# KiCad board Azimuth_PCB.kicad_pcb (continued)
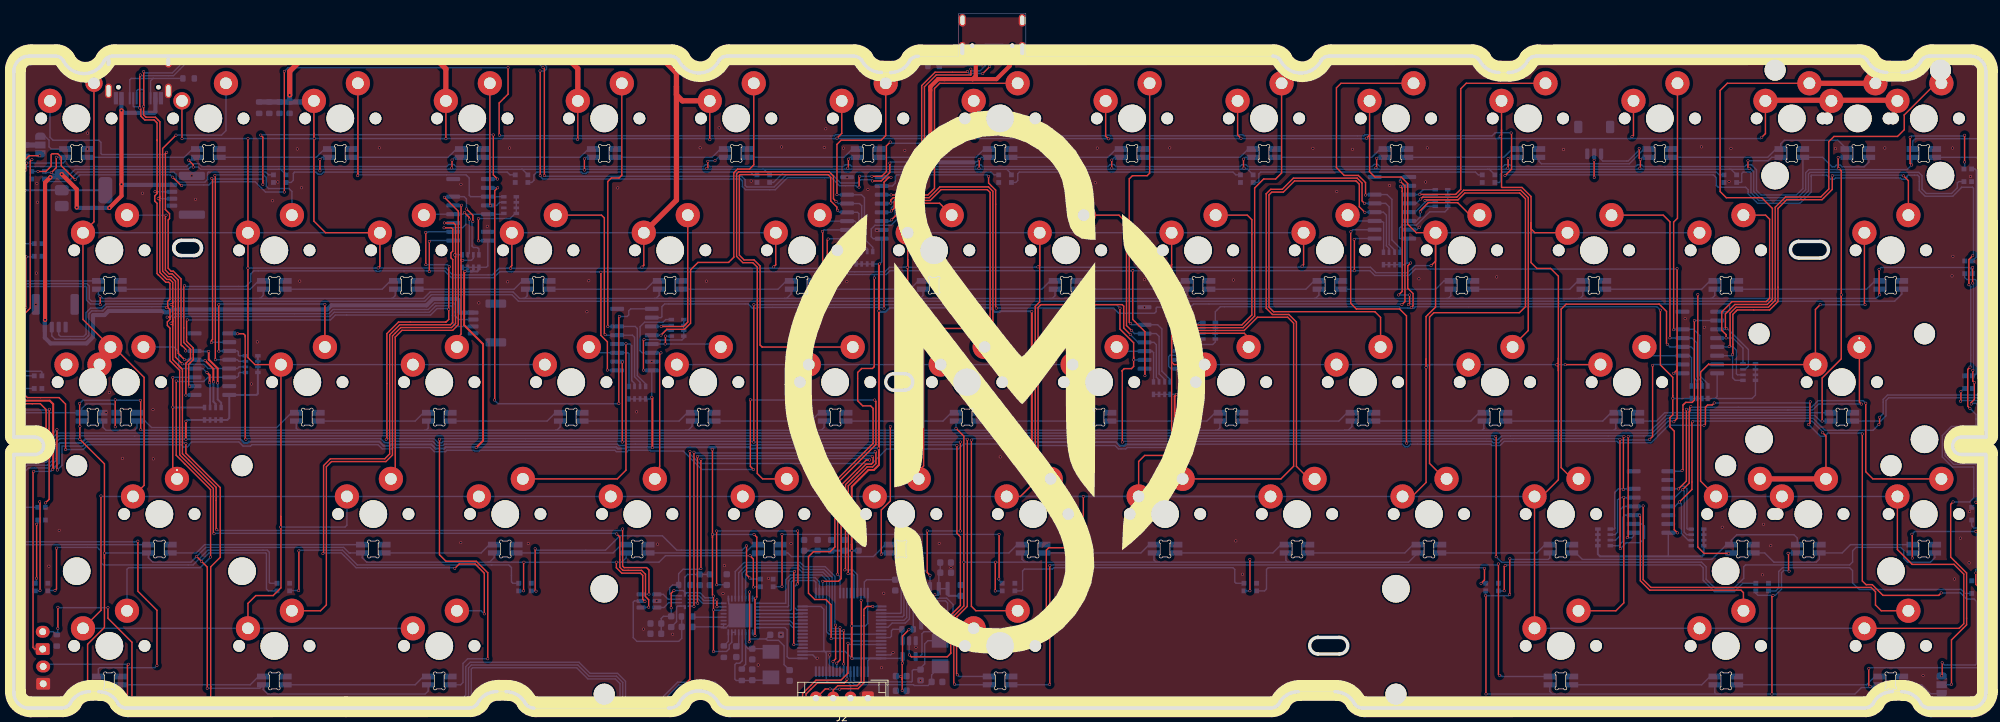
[diagram p0: board, top side]
## Routing (per net, layer and track width the routed paths; a pad name or vN(x,y) marks a point on that pad's centre or on a via; arc(x,y) is an arc through that point) (continued)
GND: length 25.3
  Bottom w0.2: U5.5 96.72,14.74 U5.6 95.83,14.74 95.67,14.59 95.67,12.49 C18.1 ; U11.15 124.67,69.09 v1(124.61,69.02) ; U1.63 126.59,7.69 v1(126.93,8.03) ; U7.2 U7.1 ; U7.1 102.36,11.74 C19.1 ; U7.1 102.85,11.64 104.6,13.39 U7.33 103.2,15.09 103.2,15.78 U7.9 ; v1(115.98,7.22) 115.81,7.22 115.34,7.69 U1.18 ; SW2002.3 13.3,42.67 v1(13.32,42.69) ; U14.15 202.52,69.11 v1(202.89,69.48) ; U1.12 117.75,5.3 117.75,7.66 v1(117.78,7.69)
  vias: v1(3.25,62.85) v1(3.18,58.33) v1(3.32,75.8) v1(3.41,73.08) v1(5.06,20.51) v1(6.55,25.69) v1(10.66,83.07) v1(10.63,80.77) v1(13.79,45.62) v1(15.68,36.09) v1(18.58,74.39) v1(20.09,43.13) v1(20.13,36.01) v1(25.7,76.89) v1(26.23,73.51) v1(34.29,46.83) v1(35.15,52.91) v1(37.33,73.3) v1(38.12,76.01) v1(40.92,80.78) v1(41.28,61.69) v1(41.53,75.17) v1(52.76,80.94) v1(64.55,75.68) v1(64.53,23.91) v1(67.13,58.54) v1(68.35,69.61) v1(71.29,61.59) v1(71.57,80.91) v1(74.27,23.79) v1(82.73,57.26) v1(83.01,61.74) v1(87.19,75.15) v1(89.91,42.8) v1(90.89,11.42) v1(92.1,50.07) v1(92.83,15.49) v1(92.94,23.69) v1(95.11,10.68) v1(99.08,80.94) v1(99.99,61.68) v1(101.82,83.82) v1(102.38,16.56) v1(102.58,20.59) v1(106.44,76.15) v1(107.46,6.23) v1(108.96,18.75) v1(110.75,10.59) v1(110.84,81.07) v1(112.2,23.79) v1(117,81) v1(117.22,83.69) v1(119.76,80.9) v1(120.26,61.6) v1(120.29,76.71) v1(123.3,74.93) v1(125.26,5.84) v1(125.59,16.6) v1(128.63,80.59) v1(130.24,8.8) v1(130.93,13.85) v1(130.9,4.02) v1(133.6,23.8) v1(135.3,20.3) v1(136.45,61.86) v1(142.11,43.12) v1(142.4,36.29) v1(156.12,75.9) v1(156.41,80.91) v1(163.24,61.91) v1(163.24,57.92) v1(166.88,80.93) v1(168.24,50.3) v1(176.05,61.85) v1(176.42,24.16) v1(177.38,19.35) v1(187.54,80.88) v1(190.99,74.64) v1(193.26,80.73) v1(198.61,75.51) v1(202.85,62.02) v1(203.81,76.01) v1(204.05,80.93) v1(214.08,62.29) v1(223.72,80.71) v1(241.28,56.26) v1(243.63,81.08) v1(244.05,55.02) v1(246.63,26.14) v1(247.62,76.08) v1(247.9,80.85) v1(252.43,19.26) v1(252.6,26.56) v1(253.64,23.47) v1(262.98,80.83) v1(270.11,80.92) v1(275.63,4.72) v1(279.81,62.44) v1(279.88,80.91) v1(279.94,65.28) v1(280.18,18.65) v1(281.01,24.56) v1(282.27,20.98) v1(282.35,28.4) v1(282.47,76.81)
GND1: length 1988.1
  Top w0.2: v1(154.4,30.58) 154.4,24.35 153.22,23.17 149.41,23.17 149.06,22.82 v1(149.06,11.59) ; 222.98,49.65 222.98,48.75 ; 222.98,49.65 222.98,50.54 ; 222.98,49.65 222.93,49.6 v1(222.74,49.6) ; 222.98,48.75 222.98,49.36 v1(222.74,49.6) ; 222.98,48.75 222.98,32.99 220.57,30.58 SW53.1 SW60.1 ; SW26.1 219.58,68.68 219.03,69.23 219.03,70.12 ; SW19.1 90.94,63.99 v1(90.68,63.72) ; 167.14,64.08 SW23.1 ; 167.14,64.08 167.14,56.3 ; 167.14,64.08 v1(166.88,63.81) ; v1(62.38,82.26) 62.37,82.27 SW4.1 ; v1(100.48,82.12) 100.47,82.13 SW6.1 ; SW2002.2 14.42,52.17 18.81,47.78 18.81,32.19 SW43.1 ; SW2002.2 13.95,51.22 SW29.1 ; SW2002.2 9.98,56.14 SW15.1 11.57,70.27 SW1.2 ; 43.32,83.04 SW3.1 ; 43.32,83.04 43.32,70.36 45,68.68 SW17.1 52.84,63.85 v1(52.59,63.59) ; 43.32,83.04 43.32,82.35 v1(43.38,82.29) ; 222.98,50.54 222.98,62.4 221.86,63.52 219.88,63.52 219.03,64.37 219.03,70.12 ; 222.98,50.54 222.98,49.84 v1(222.74,49.6) ; SW25.1 205.24,64.58 v1(204.6,63.93) ; SW25.1 202.46,68.68 201.23,69.91 201.23,75.78 200.29,76.72 196.5,76.72 195.69,77.53 195.72,77.56 195.72,82.78 ; SW25.1 205.24,57.94 203.88,56.57 203.88,50.44 ; SW24.1 186.19,64.08 v1(185.98,63.86) ; SW14.1 252.87,83 v1(252.34,82.47) ; 169.91,49.63 167.5,49.63 167.14,49.99 ; 169.91,49.63 SW37.1 ; 169.91,49.63 169.43,49.63 ; SW7.1 119.52,83.03 v1(118.84,82.35) ; 167.14,56.3 167.14,49.99 ; 167.14,56.3 167.14,51.92 ; 167.14,49.99 167.14,37.27 166.39,36.51 163.26,36.51 162.38,35.64 SW50.1 ; 129.04,64.83 129.04,63.77 v1(128.97,63.69) ; 129.04,64.83 SW21.1 ; 129.04,64.83 129.04,49.67 v1(129.01,49.63) ; v1(177.16,82.33) 176.67,82.82 SW10.1 ; 203.88,50.44 203.88,32.6 201.86,30.58 SW52.1 ; 203.88,50.44 v1(203.88,49.2) ; v1(109.7,63.75) 109.99,64.05 SW20.1 ; SW57.1 33.79,15.13 34.93,16.26 37.44,16.26 38.56,17.38 38.56,27.7 ; SW40.1 223.98,49.63 v1(223.97,49.62) ; 214.77,83.52 214.77,82.81 v1(214.58,82.62) ; 214.77,83.52 SW12.1 ; 214.77,83.52 214.77,75.28 214.83,75.22 217.72,75.22 219.03,73.92 219.03,70.12 ; SW54.1 243.51,32.8 243.51,48.54 244.68,49.71 244.76,49.63 SW41.1 260.09,57.6 v1(260.78,58.29) ; SW55.1 271.92,22.91 274.06,20.77 280.1,20.77 281.51,19.36 281.51,12.2 280.84,11.53 SW62.1 ; v1(147.85,63.74) 148.09,63.99 SW22.1 148.09,58.69 147.46,58.05 147.46,32.72 145.32,30.58 SW49.1 ; v1(267.26,58.29) 267.16,58.39 SW28.1 ; 38.56,27.7 SW30.1 34.8,49.63 33.79,50.64 v1(33.79,63.57) SW16.1 33.79,82.28 v1(33.8,82.28) ; 38.56,27.7 38.56,26.21 v1(38.51,26.16) ; v1(81.38,82.16) 81.42,82.2 SW5.1 ; 195.72,82.78 SW11.1 ; 195.72,82.78 v1(195.28,82.34) ; v1(138.7,82.32) 138.57,82.45 SW8.1 ; SW18.1 71.89,63.93 71.71,63.74 v1(71.71,63.54) ; v1(24.28,82.28) 24.27,82.29 SW2.1 ; SW56.1 12.58,14.13 v1(12.58,30.65) ; SW13.1 233.82,82.76 v1(233.61,82.55) ; SW9.1 157.62,82.65 v1(158.02,82.25)
  Top w0.762: 95.66,89.8 95.66,73.39 SW19.1 ; 95.66,89.8 95.66,91.75 94.09,93.31 79.79,93.32 ; 95.66,89.8 95.66,88.59 96.52,87.73 SW6.1 ; SW14.1 252.96,87.82 262.3,87.82 SW2000.1 262.48,87.82 271.83,87.82 SW42.1 ; 79.79,93.32 80.48,93.32 81.42,92.38 SW5.1 ; 79.79,93.32 60.52,93.32 ; 60.52,93.32 47.84,93.32 41.14,93.32 39.83,92 v2(39.83,88.57) ; 60.52,93.32 61.4,93.32 62.37,92.35 SW4.1
  Bottom w0.2: SW33.1 SW34.1 v1(129.01,49.63) SW35.1 SW36.1 ; 90.35,63.54 109.06,63.54 ; 90.35,63.54 90.5,63.54 v1(90.68,63.72) ; 90.35,63.54 71.16,63.54 ; 109.06,63.54 120.11,63.54 120.61,63.04 125.77,63.04 126.42,63.69 128.39,63.69 ; 109.06,63.54 109.49,63.54 v1(109.7,63.75) ; SW20.1 SW19.1 SW18.1 ; 128.39,63.69 v1(128.97,63.69) ; 128.39,63.69 147.34,63.69 ; 61.53,82.28 62.36,82.28 v1(62.38,82.26) ; 61.53,82.28 42.74,82.28 ; 61.53,82.28 80.69,82.28 ; v1(177.16,82.33) 177.11,82.28 176.79,82.28 ; 42.74,82.28 v1(33.8,82.28) v1(24.28,82.28) ; 42.74,82.28 43.37,82.28 v1(43.38,82.29) ; v1(267.26,58.29) v1(260.78,58.29) ; 194.38,82.28 213.9,82.28 ; 194.38,82.28 195.22,82.28 v1(195.28,82.34) ; 194.38,82.28 176.79,82.28 ; 213.9,82.28 233.04,82.28 ; 213.9,82.28 214.24,82.28 v1(214.58,82.62) ; SW25.1 SW26.1 SW27.1 ; 147.34,63.69 147.8,63.69 v1(147.85,63.74) ; 147.34,63.69 166.4,63.69 ; SW50.1 v1(154.4,30.58) SW49.1 ; SW50.1 SW53.1 ; SW50.1 SW51.1 SW48.1 SW46.1 SW45.1 SW44.1 ; SW17.1 SW16.1 SW15.1 ; 80.69,82.28 81.26,82.28 v1(81.38,82.16) ; 80.69,82.28 99.92,82.28 ; 118.37,82.28 118.77,82.28 v1(118.84,82.35) ; 118.37,82.28 99.92,82.28 ; 118.37,82.28 138.07,82.28 ; SW55.1 SW2001.1 SW54.1 ; v1(203.88,49.2) 204.31,49.63 SW39.1 ; SW44.1 48.08,26.43 47.82,26.16 v1(38.51,26.16) ; SW44.1 SW43.1 12.65,30.58 v1(12.58,30.65) ; 233.04,82.28 252.15,82.28 v1(252.34,82.47) ; 233.04,82.28 233.34,82.28 v1(233.61,82.55) ; SW56.1 SW57.1 SW58.1 ; v1(223.97,49.62) 222.76,49.62 v1(222.74,49.6) ; SW60.1 SW61.1 SW62.1 ; 99.92,82.28 100.32,82.28 v1(100.48,82.12) ; 166.4,63.69 185.41,63.69 ; 166.4,63.69 166.76,63.69 v1(166.88,63.81) ; v1(204.6,63.93) 202.26,63.93 201.23,62.9 196.65,62.9 195.86,63.69 185.41,63.69 ; 71.16,63.54 70.07,63.54 69.12,62.59 63.34,62.59 62.36,63.57 52.14,63.57 ; 71.16,63.54 v1(71.71,63.54) ; SW39.1 SW40.1 ; SW39.1 SW38.1 SW37.1 ; 185.41,63.69 185.81,63.69 v1(185.98,63.86) ; SW30.1 SW31.1 SW32.1 ; 157.32,82.28 176.79,82.28 ; 157.32,82.28 157.99,82.28 v1(158.02,82.25) ; 157.32,82.28 138.07,82.28 ; SW21.1 SW22.1 SW24.1 ; v1(33.79,63.57) 52.14,63.57 ; 52.14,63.57 52.57,63.57 v1(52.59,63.59) ; 138.07,82.28 138.66,82.28 v1(138.7,82.32) ; v1(149.06,11.59) 149,11.54 SW59.1
  Bottom w0.762: R16.2 43.16,87.57 SW3.1 ; R16.2 R17.2 R18.2 R19.2 ; R16.2 39.81,88.55 v2(39.83,88.57)
0: length 42.1
  Top w0.2: SW11.2 191.6,90.27 190.94,89.61 190.94,78.08 192.06,76.96 194.1,76.96 195.14,75.92 v1(195.14,74.12)
  Bottom w0.2: RN11.8 200.13,66.46 198.95,67.64 198.95,73.49 198.25,74.19 U14.6 195.21,74.19 v1(195.14,74.12)
1: length 59.1
  Top w0.2: v1(24.31,49.74) 23.34,50.71 23.34,61.68 22.69,62.33 22.26,62.33 21.48,63.11 21.48,80.85 v1(23.41,82.78)
  Bottom w0.2: RN1.6 32.52,49.3 32.28,49.06 U3.13 28.04,49.06 27.44,49.66 24.39,49.66 v1(24.31,49.74) ; v1(23.41,82.78) 29.98,82.78 30.62,83.42 SW2.2
2: length 37.3
  Top w0.2: v1(49.63,76.94) 49.63,77.18 49.67,77.22 SW3.2
  Bottom w0.2: RN4.8 70.71,73.9 U9.11 65.93,73.9 65.74,74.09 65.74,76.59 65.29,77.04 49.73,77.04 v1(49.63,76.94)
3: length 20.2
  Top w0.2: v1(68.82,72.61) 68.72,72.71 SW4.2
  Bottom w0.2: U9.12 68.8,72.63 v1(68.82,72.61) 69.69,72.61 70.15,73.07 RN4.7
4: length 49.9
  Top w0.2: SW5.2 87.77,76.98 87.38,76.59 86.26,76.59 85.75,76.08 v1(85.75,55.14)
  Bottom w0.2: RN6.8 91.21,46.84 90.01,48.04 90.01,54.84 89.7,55.15 U10.6 85.75,55.15 v1(85.75,55.14)
5: length 50.1
  Top w0.2: v1(93.42,53.88) 94.27,54.73 96.82,54.73 97.69,55.6 97.69,63.32 98.77,64.39 103.19,64.39 103.94,65.14 103.94,77.34 104.47,77.87 106.21,77.87 106.82,78.48 SW6.2
  Bottom w0.2: RN5.6 94.08,54.54 v1(93.42,53.88) 93.41,53.88 U10.12
6: length 34.8
  Top w0.2: SW7.2 125.87,82.71 125.2,82.04 119.43,82.04 118.83,81.44 v1(118.83,74.19)
  Bottom w0.2: RN8.8 124,66.57 122.8,67.77 122.8,73.74 122.37,74.17 U11.6 118.85,74.17 v1(118.83,74.19)
7: length 38.1
  Top w0.2: v1(126.65,74.14) 131.97,74.14 132.91,75.08 132.91,89.52 133.66,90.27 SW8.2
  Bottom w0.2: v1(126.65,74.14) 126.62,74.17 U11.11 127.17,74.17 127.74,74.73 RN7.8
8: length 50.2
  Top w0.2: v1(161.22,55.57) 161.03,55.76 161.03,76.46 161.49,76.92 163.61,76.92 163.97,77.28 SW9.2
  Bottom w0.2: RN9.8 166.93,47.49 165.74,48.68 165.74,54.78 165.14,55.38 U12.6 161.41,55.38 v1(161.22,55.57)
9: length 50.4
  Top w0.2: v1(169.67,54.47) 170.16,54.96 177.45,54.96 179.13,56.64 179.13,75.14 180.43,76.44 182.16,76.44 183.02,77.3 SW10.2
  Bottom w0.2: RN10.7 170.13,54.93 v1(169.67,54.47) 169.31,54.11 U12.12
165_CS: length 5.7
  Bottom w0.2: U1.58 126.5,10.19 126.7,10.39 126.7,11.19 126.9,11.39 R2.2 128.2,9.83 U2.1
': length 11.5
  Bottom w0.2: RN14.5 242.2,46.56 242.2,50.62 241.9,50.92 U15.3 236.66,50.92 SW40.2
,: length 74.7
  Top w0.2: SW51.2 186.97,33.12 185.16,34.93 185.16,55.78 184.06,56.87 181.7,56.87 180.8,57.77 180.8,74.31 181.44,74.95 183.11,74.95 184.72,76.56 193.93,76.56 194.64,75.86 194.64,73.27 v1(194.98,72.93)
  Bottom w0.2: RN11.7 199.33,66.18 198.55,66.96 198.55,72.42 198.05,72.92 U14.5 194.99,72.92 v1(194.98,72.93)
-: length 37.5
  Top w0.2: SW12.2 209.68,90.27 208.89,89.48 208.89,74.96 208.15,74.22 v1(202.95,74.22)
  Bottom w0.2: RN12.8 203.45,74.89 202.95,74.39 v1(202.95,74.22) 202.92,74.19 U14.11
.: length 74.7
  Top w0.2: v1(203.71,73.32) 203.71,73.41 203.72,73.42 208.48,73.42 209.48,74.42 217.39,74.42 218.23,73.59 218.23,58 217.36,57.13 205.01,57.13 204.38,56.5 204.38,35.35 206.61,33.12 SW52.2
  Bottom w0.2: 203.71,73.05 202.31,71.65 U14.13 ; 203.71,73.05 203.95,73.29 RN12.6 ; 203.71,73.05 v1(203.71,73.32)
/: length 56.4
  Top w0.2: SW53.2 225,33.12 223.38,34.74 223.38,57.64 224.1,58.36 237.54,58.36 238.59,57.31 238.59,52.68 v1(238.71,52.56)
  Bottom w0.2: RN14.6 242.97,47.31 242.6,47.68 242.6,51.73 242.14,52.19 U15.4 239.08,52.19 v1(238.71,52.56)
;: length 43.3
  Top w0.2: v1(203.11,73.55) 203.38,73.82 208.31,73.82 209.31,74.82 217.56,74.82 218.63,73.75 218.63,54.55 216.36,52.28 SW39.2
  Bottom w0.2: U14.12 202.48,72.92 v1(203.11,73.55) 203.65,74.09 RN12.7
=: length 47.8
  Top w0.2: SW13.2 240.17,70.77 239.62,70.22 v1(239.62,54.67)
  Bottom w0.2: v1(239.62,54.67) 239.67,54.73 U15.6 242.51,54.73 243.4,53.84 243.4,48.01 244.57,46.84 RN14.8
[: length 36.3
  Top w0.2: v1(239.09,53.49) 239.09,70.25 238.12,71.22 SW26.2
  Bottom w0.2: RN14.7 243.77,47.08 243,47.85 243,52.73 242.27,53.46 U15.5 239.12,53.46 v1(239.09,53.49)
\: length 61.2
  Top w0.2: v1(248.13,51.1) 248.17,51.14 248.17,56.9 248.79,57.52 253.47,57.52 254.68,58.73 254.68,72.19 255.94,73.45 261.03,73.45 262.52,74.94 v1(262.52,76.9) ; SW28.2 273.51,76.2 v1(272.81,76.9)
  Bottom w0.2: v1(272.81,76.9) 272.61,76.9 272.51,77 262.62,77 v1(262.52,76.9) ; RN13.5 248.51,47.35 248.13,47.73 v1(248.13,51.1) 247.94,50.92 U15.14
]: length 34.5
  Top w0.2: v1(247.19,53.48) 247.19,53.96 246.57,54.58 246.57,57.24 248.05,58.72 252.97,58.72 253.48,59.23 253.48,70.63 252.89,71.22 SW27.2
  Bottom w0.2: RN13.8 249.63,52.02 248.17,53.48 v1(247.19,53.48) 247.16,53.46 U15.12 246.46,53.46 246.57,53.35
a: length 32.7
  Top w0.2: v1(29.59,51.57) v1(29.59,58.29) ; v1(44.91,58.29) SW30.2
  Bottom w0.2: v1(29.59,51.57) 29.62,51.6 U3.11 32.28,51.6 32.41,51.47 32.41,51.02 32.53,50.9 RN1.8 ; v1(29.59,58.29) 29.69,58.39 44.83,58.39 44.83,58.37 v1(44.91,58.29)
b: length 70.3
  Top w0.2: SW48.2 130.63,34.29 131.34,34.99 131.34,53.36 132.83,54.85 140.5,54.85 140.94,55.29 140.94,74.51 140.54,74.9 133.86,74.9 132.3,73.34 127.33,73.34 127.1,73.11 127.1,72.23 v1(126.7,71.83)
  Bottom w0.2: RN7.6 127.56,73.13 126.7,72.27 v1(126.7,71.83) 126.49,71.63 U11.13
backspace: length 78.3
  Top w0.2: SW14.2 247.37,90.27 246.33,89.23 246.33,74.63 247.22,73.74 252.33,73.74 253.88,72.19 253.88,59.06 253.14,58.32 248.46,58.32 247.09,56.95 247.09,54.99 v1(247.27,54.81)
  Top w0.762: SW2000.2 SW14.2
  Bottom w0.2: 247.07,54.73 247.49,54.73 250.41,51.81 250.41,49.39 249.97,48.95 RN13.7 ; 247.07,54.73 247.18,54.73 v1(247.27,54.81) ; 247.07,54.73 U15.11
backspace2: length 69.7
  Top w0.2: v1(247.64,52.24) 247.77,52.37 247.77,57.07 248.62,57.92 253.3,57.92 254.28,58.9 254.28,72.36 255.77,73.85 260.87,73.85 262.02,75 262.02,81.84 262.77,82.59 271.94,82.59 272.91,83.56 272.91,85.69 277.49,90.27 SW42.2
  Bottom w0.2: U15.13 247.58,52.19 v1(247.64,52.24) 248.15,52.24 248.68,51.71 248.68,48.31 248.84,48.15 RN13.6
c: length 30.1
  Top w0.2: v1(93.42,51.33) 93.24,51.15 93.24,34.96 93.22,34.94 93.22,33.81 SW46.2
  Bottom w0.2: RN5.8 94.11,56.14 93.73,55.76 91.07,55.76 90.41,55.1 90.41,51.64 90.71,51.34 U10.14 93.41,51.34 v1(93.42,51.33)
cap: length 17.2
  Top w0.283: v1(28.26,47.04) 28.26,48.11 v1(27.88,48.49)
  Bottom w0.2: v1(27.88,48.49) 27.31,49.06 U3.4 24.05,49.06 23.81,49.3 23.81,51.47 23.11,52.17 SW29.2
  Bottom w0.283: RN2.6 28.33,46.97 v1(28.26,47.04)
CLK: length 22.6
  Top w0.2: v1(112.7,19.74) 112.6,19.64 v1(112.6,9.19)
  Bottom w0.2: v1(112.7,19.74) 105.95,19.74 105.65,19.44 U7.14 ; U1.21 v1(112.6,9.19)
d: length 10.9
  Bottom w0.2: RN6.5 88.81,51.17 88.64,51.34 U10.3 83.84,51.34 SW32.2
D+_FS: length 71.2
  Top w0.2: v1(98.73,15.15) 98.69,15.19 v1(98.69,36.36) ; v1(119.97,19.97) 120.06,19.97 120.07,19.98 120.07,32.29 123.03,35.25 123.81,35.25 124.05,35.49 124.05,36.24 v1(123.92,36.36)
  Bottom w0.2: U5.3 98.64,15.24 v1(98.73,15.15) ; v1(119.97,19.97) 121.09,19.97 121.78,19.28 U1.45 ; v1(123.92,36.36) 123.82,36.46 98.79,36.46 v1(98.69,36.36)
D-_FS: length 72.6
  Top w0.2: v1(124.35,37.06) 124.45,36.96 124.45,35.33 123.97,34.85 123.19,34.85 120.47,32.13 120.47,19.48 v1(120.42,19.44) ; v1(98.19,14.69) v1(98.19,36.98)
  Bottom w0.2: v1(120.42,19.44) 120.48,19.38 121.12,19.38 121.29,19.21 121.29,19.18 121.28,19.18 U1.44 ; U5.4 98.14,14.74 v1(98.19,14.69) ; v1(98.19,36.98) 98.31,36.86 124.15,36.86 v1(124.35,37.06)
Data0: length 10.7
  Bottom w0.2: U7.24 111.33,11.64 111.63,11.34 111.63,7.44 111.88,7.19 U1.17
Data1: length 6.7
  Bottom w0.2: U7.23 111.97,12.14 112.42,11.69 U1.26
Data2: length 6.7
  Bottom w0.2: U1.27 112.48,12.19 112.03,12.64 U7.22
Data3: length 6.5
  Bottom w0.2: U1.29 113.81,13.14 U7.21
Data4: length 6.5
  Bottom w0.2: U1.30 113.81,13.64 U7.20
Data5: length 14.3
  Bottom w0.2: U1.33 115.78,18.19 115.53,18.44 112.43,18.44 112.23,18.24 112.23,14.24 112.13,14.14 U7.19
Data6: length 14.7
  Bottom w0.2: U7.18 111.73,14.64 111.83,14.74 111.83,18.41 112.27,18.84 115.7,18.84 116.28,18.26 U1.34
Data7: length 29.5
  Bottom w0.2: U1.57 117.68,10.69 117.33,11.04 117.33,18.54 116.63,19.24 112.1,19.24 111.43,18.57 111.43,15.14 U7.17
DIR: length 33.6
  Top w0.2: v1(118.8,6.49) 119.27,6.97 v1(119.27,11.64)
  Bottom w0.2: U1.10 118.8,5.28 v1(118.8,6.49) ; U7.12 104.65,19.57 105.71,20.64 113.36,20.64 113.96,20.04 116.97,20.04 118.13,18.87 118.13,11.49 119.13,11.49 v1(119.27,11.64)
e: length 35.9
  Top w0.2: SW18.2 84.84,71.22 85.25,70.81 85.25,54.07 v1(85.37,53.95)
  Bottom w0.2: v1(85.37,53.95) 85.44,53.88 U10.5 89.3,53.88 89.61,53.57 89.61,47.87 90.41,47.07 RN6.7
EEPROM: length 15.5
  Bottom w0.2: U1.55 126.2,11.69 126.8,12.29 128.7,12.29 129.3,12.89 129.3,15.09 129.7,15.49 134.5,15.49 134.8,15.19 U8.1
enter: length 55.4
  Top w0.2: v1(266.73,43.92) 266.44,44.21 SW41.2 ; v1(241.46,43.17) 241.46,32.81 v1(240.32,31.67)
  Bottom w0.2: v1(266.73,43.92) 266.71,43.94 260.56,43.94 259.69,43.07 241.82,43.07 241.72,43.17 v1(241.46,43.17) ; U13.11 240.3,31.69 v1(240.32,31.67) 240.71,32.07 241.13,32.07 241.54,31.66 241.54,25.95 241.63,25.86 RN16.8
esc: length 66.8
  Top w0.2: v1(24.81,51.6) 24.81,51.85 24.34,52.32 24.3,52.32 24.14,52.48 24.14,62.01 23.02,63.13 22.69,63.13 22.28,63.54 22.28,70.53 22.48,70.73 22.48,71.43 21.88,72.03 21.88,80.11 v1(22.07,80.3)
  Top w0.283: v1(29.43,46.99) 29.43,49.07 28.14,50.37 v1(28.14,51.53)
  Bottom w0.2: v1(22.07,80.3) 21.77,80 21.77,79.97 12.72,79.97 12.58,80.12 12.58,81.74 12.28,82.04 5.65,82.04 5.22,82.47 SW1.1 ; U3.6 v1(24.81,51.6)
  Bottom w0.283: v1(29.43,46.99) 29.43,44.61 29.93,44.12 RN2.8 ; v1(28.14,51.53) 26.17,51.53 U3.6
f: length 12.2
  Top w0.2: v1(94.07,53.75) 94.07,52.65 v1(94.03,52.61)
  Bottom w0.2: U10.13 v1(94.03,52.61) 101.62,52.61 SW33.2 ; RN5.5 94.08,53.74 v1(94.07,53.75)
fn: length 69.6
  Top w0.2: v1(242.1,43.57) 241.96,43.43 241.96,42.92 241.86,42.82 241.86,32.51 v1(240.92,31.57) ; SW55.2 268.38,33.12 267.36,34.14 v1(267.36,44.05)
  Bottom w0.2: 238.85,30.42 239.77,30.42 v1(240.92,31.57) 241.14,31.35 241.14,25.42 241.5,25.06 RN16.7 ; v1(242.1,43.57) 242.1,43.49 242.11,43.47 259.52,43.47 260.47,44.42 266.99,44.42 v1(267.36,44.05)
g: length 67.6
  Top w0.2: v1(118.93,71.92) 118.82,72.03 118.82,72.39 117.93,73.28 117.93,76.7 117.55,77.07 104.86,77.07 104.74,76.95 104.74,65.43 105.41,64.75 106.85,64.75 107.73,63.88 107.73,52.46 108.03,52.16 108.04,52.17 SW34.2
  Bottom w0.2: v1(118.93,71.92) 119.22,71.63 U11.4 121.8,71.63 122,71.43 122,66.82 122.4,66.42 RN8.6
h: length 44
  Top w0.2: SW35.2 140.16,52.7 141.34,53.88 141.34,74.67 140.71,75.3 133.69,75.3 132.13,73.74 126.95,73.74 126.6,73.39 v1(126.6,72.96)
  Bottom w0.2: v1(126.6,72.96) 126.53,72.9 U11.12 126.68,72.9 127.72,73.93 RN7.7
i: length 32.6
  Top w0.2: v1(169.55,55.36) 177.29,55.36 178.73,56.8 178.73,70.56 178.07,71.22 SW23.2
  Bottom w0.2: RN10.8 171.15,55.73 170.78,55.36 v1(169.55,55.36) 169.53,55.38 U12.11
j: length 9.9
  Bottom w0.2: RN9.5 164.54,47.14 164.54,51.36 164.33,51.57 U12.3 159.81,51.57 SW36.2
jump1: length 464.4
  Top w0.2: v1(97.6,37.09) 97.6,4.17 v1(94.28,0.85) ; v1(6.27,34.4) 6.22,34.46 v1(6.22,40.23) ; 28.42,3.13 28.42,20.41 29.8,21.79 29.8,31.87 24.84,36.83 v1(24.84,38.24) ; 28.42,3.13 28.42,0.74 v1(28.45,0.71) ; 28.42,3.13 28.42,2.81 ; v1(278.39,6.56) 278.39,4.76 v1(278.31,4.68) ; v1(3.74,79.81) 2.22,79.81 0.73,78.32 0.73,44.74 1.49,43.98 3.82,43.98 4.64,43.16 4.64,43.01 4.66,42.99 4.66,39.5 v1(4.6,39.44) ; v1(259.11,40.97) 259.3,41.16 259.3,44.2 v1(259.35,44.25) ; v1(278.25,16.65) 277.89,16.29 269.84,16.29 268.29,17.84 267.39,17.84 266.86,18.37 v1(266.86,39.61) ; v1(245.48,44.09) 245.19,43.8 244.53,43.8 244.21,43.48 244.21,41.05 v1(244.01,40.85)
  Bottom w0.2: v1(6.22,40.23) 6.15,40.23 5.36,39.44 v1(4.6,39.44) ; v1(6.27,34.4) 6.96,35.09 6.96,37.85 6.97,37.86 9.93,37.86 10.53,38.46 24.4,38.46 24.52,38.34 24.74,38.34 v1(24.84,38.24) ; v1(259.11,40.97) 260.79,39.29 261.45,39.29 261.9,39.74 266.73,39.74 v1(266.86,39.61) ; v1(278.25,16.65) 281.03,16.65 281.92,15.76 283.01,15.76 283.35,15.42 283.35,6.4 283.19,6.24 278.71,6.24 v1(278.39,6.56) ; v1(97.6,37.09) 97.6,36.75 98.99,35.35 123.9,35.35 125.99,37.44 136.35,37.44 137.08,38.16 146.37,38.16 146.59,37.94 158.98,37.94 159.47,37.46 160.53,37.46 160.73,37.66 167.31,37.66 167.42,37.54 167.85,37.54 168.45,38.14 169.21,38.14 169.18,38.14 200.46,38.14 200.85,37.75 201.25,37.75 201.64,38.14 213.2,38.14 213.4,37.94 214.55,37.94 215.15,38.54 216.35,38.54 216.34,38.54 231.45,38.54 231.65,38.34 236.37,38.34 238.91,40.87 243.98,40.87 v1(244.01,40.85) ; v1(245.48,44.09) 259.19,44.09 v1(259.35,44.25) ; v1(3.74,79.81) 3.82,79.9 JP1.3 ; v1(94.28,0.85) 94.05,0.62 87.96,0.62 87.51,1.07 87.51,3.54 86.83,4.22 82.87,4.22 81.26,5.83 66.22,5.83 66.04,5.65 66.04,1.44 65.3,0.7 28.45,0.7 v1(28.45,0.71)
k: length 15.4
  Top w0.2: v1(169.59,52.46) 169.59,52.85 170.9,54.16 177.63,54.16 178.26,53.53 SW37.2
  Bottom w0.2: RN10.5 170.46,53.33 v1(169.59,52.46) 168.7,51.57 U12.14
l: length 64.5
  Top w0.2: SW38.2 197.31,56.45 196.49,57.27 181.86,57.27 181.2,57.94 181.2,74.15 181.6,74.55 183.27,74.55 184.88,76.16 193.76,76.16 194.24,75.69 194.24,72.43 v1(195.04,71.63)
  Bottom w0.2: v1(195.04,71.63) 195.06,71.65 U14.4 197.72,71.65 198.15,71.22 198.15,66.79 198.53,66.41 RN11.6
lalt: length 110.4
  Top w0.2: v1(44.62,22.32) 44.72,22.42 44.72,35.05 45.69,36.02 53.55,36.02 54.26,36.73 54.26,53.94 55.69,55.38 63.02,55.38 63.36,55.72 63.36,64.79 63.11,65.05 63.11,65.77 63.36,66.03 63.36,69.22 63.19,69.39 v1(62.11,69.39) ; v1(63.65,20.19) 64.28,20.82 66.59,20.82 67.92,19.5 v1(67.92,13.62)
  Bottom w0.2: v1(44.62,22.32) 44.72,22.42 47.27,22.42 49.41,20.29 63.55,20.29 v1(63.65,20.19) ; v1(62.11,69.39) 62.14,69.42 64.8,69.42 65.26,69.88 65.26,71.07 65.54,71.36 U9.13 70.62,71.36 RN4.5 ; v1(67.92,13.62) 67.47,14.07 SW58.2
LATCH: length 416.9
  Top w0.2: v1(84.75,62.98) 84.75,53.87 85.69,52.93 v1(85.69,48.83) ; v1(239.62,48.37) 240.12,48.87 240.12,49.43 ; v1(24.64,61.02) 24.54,60.92 24.54,52.82 25.5,51.86 25.5,50.49 24.84,49.83 v1(24.84,45.22) ; 240.12,49.43 240.12,41.84 v1(239.65,41.37) ; 240.12,49.43 v1(240.12,63.5) ; v1(233.06,39.24) 233.06,24.77 v1(232.92,24.63) ; v1(117.99,10.03) 117.99,14.93 117.23,15.69 115.63,15.69 114.72,16.6 114.72,21.89 115.43,22.6 117.84,22.6 118.53,23.29 118.53,32.73 124.05,38.25 124.05,43.31 123.69,43.67 122.55,43.67 121.82,44.4 121.82,48.49 122.4,49.07 123.96,49.07 124.21,49.32 124.21,62.12 v1(124.23,62.14) ; v1(59.98,63.07) v1(59.98,67.41) ; v1(117.43,63.04) 117.43,67.64 v1(117.56,67.77) ; v1(161.53,63.19) 161.53,63.33 161.53,56.15 163.29,54.39 v1(163.29,48.03) ; v1(193.5,67.71) 193.53,67.68 v1(193.53,63.19)
  Bottom w0.2: v1(59.98,63.07) 59.88,63.17 59.7,63.17 ; U15.1 240.89,48.37 v1(239.62,48.37) ; v1(193.5,67.71) 193.63,67.84 U14.1 ; U9.1 60.11,67.55 v1(59.98,67.41) ; v1(117.56,67.77) 117.6,67.82 U11.1 ; U13.1 233.85,24.9 233.57,24.62 233.56,24.63 v1(232.92,24.63) ; U12.1 163.29,48.98 v1(163.29,48.03) ; 117.09,63.04 120.04,63.04 120.44,62.64 124.24,62.64 ; 117.09,63.04 v1(117.43,63.04) ; 117.09,63.04 83.26,63.04 ; 159.83,63.19 126.48,63.19 125.93,62.64 124.24,62.64 ; 159.83,63.19 193.13,63.19 ; 159.83,63.19 v1(161.53,63.19) ; v1(84.75,62.98) 84.69,63.04 83.26,63.04 ; 83.26,63.04 70.13,63.04 69.28,62.19 63.17,62.19 62.19,63.17 59.7,63.17 ; U3.1 24.87,45.25 v1(24.84,45.22) ; 124.24,62.64 124.23,62.63 v1(124.23,62.14) ; U10.1 87.06,48.83 v1(85.69,48.83) ; v1(240.12,63.5) 240.05,63.43 202.32,63.43 201.39,62.5 196.48,62.5 195.79,63.19 193.13,63.19 ; 193.13,63.19 v1(193.53,63.19) ; v1(233.06,39.24) 233.16,39.34 236.69,39.34 238.83,41.47 239.55,41.47 v1(239.65,41.37) ; 59.7,63.17 56.32,63.17 56.36,63.17 52.87,63.17 52.79,63.09 52.38,63.09 52.3,63.17 34.64,63.17 34.21,62.74 34.21,61.62 33.51,60.92 24.74,60.92 v1(24.64,61.02) ; U1.59 121.07,9.69 120.65,10.11 118.07,10.11 v1(117.99,10.03)
lctrl: length 57.1
  Top w0.2: v1(23.44,47.26) 23.44,36.53 28.4,31.57 v1(28.4,21.83)
  Bottom w0.2: v1(23.44,47.26) 23.51,47.19 27.43,47.19 28.03,47.79 U3.14 32.24,47.79 32.44,47.99 32.44,48.35 32.59,48.5 RN1.5 ; SW56.2 16.33,20.06 16.56,20.29 26.89,20.29 28.4,21.8 v1(28.4,21.83)
lshift: length 22.7
  Top w0.2: v1(22.94,47.75) v1(22.94,43.48) 22.94,34.81 22.92,34.79 23.55,34.16 SW43.2
  Bottom w0.2: U3.3 22.98,47.79 v1(22.94,47.75)
  Bottom w0.283: v1(22.94,43.48) 22.99,43.43 RN2.5
lwin: length 81.6
  Top w0.2: 63.76,65.17 63.76,65.31 v1(63.61,65.46) 63.61,65.51 63.76,65.66 ; 63.76,65.17 63.76,55.56 63.19,54.98 55.86,54.98 54.66,53.78 54.66,36.56 53.72,35.62 45.86,35.62 45.12,34.88 45.12,14.91 44.28,14.07 SW57.2 ; 63.76,65.17 63.76,65.66 ; 63.76,65.66 63.76,69.82 63.49,70.09 v1(62.16,70.09)
  Bottom w0.2: v1(62.16,70.09) 62.16,70.09 U9.3 ; RN3.5 63.64,65.49 v1(63.61,65.46)
m: length 57.3
  Top w0.2: v1(170.21,54.21) 170.56,54.56 177.62,54.56 179.53,56.47 183.9,56.47 184.76,55.61 184.76,34.95 182.93,33.12 SW50.2
  Bottom w0.2: RN10.6 170.29,54.13 v1(170.21,54.21) 168.84,52.84 U12.13
matrix: length 4.9
  Bottom w0.2: SW1.4 5.39,80.77 5.08,81.09 5.08,82.05 4.47,82.65 JP1.1
matrix1: length 6.3
  Bottom w0.2: JP2.1 276.72,2.08 275.42,3.37 SW62.5
MISO: length 33.8
  Bottom w0.2: U1.52 128.3,13.19 128.5,13.39 128.5,18.96 129.03,19.49 131.2,19.49 131.6,19.09 131.6,15.99 131.7,15.89 134.67,15.89 135.6,14.96 135.6,11.5 135.14,11.04 133.75,11.04 133.53,11.26 U8.2 ; U2.4 130.8,7.45 131.1,7.75 131.1,10.75 131.39,11.04 133.9,11.04